# Altium PCB 2225B_VumetreFrequence_LDA.PcbDoc (part 2 of 2)
Units mm, origin at the board's own origin, x right, y up, seen from the top; angles counter-clockwise.
Board outline 167.64 x 107.19 mm, 2 copper layers (Top Layer, Bottom Layer), stack 1.586 mm thick; 145 components, 125 nets, 447 pads, 361 vias.
Unrouted connection lines stored in the file: 94.
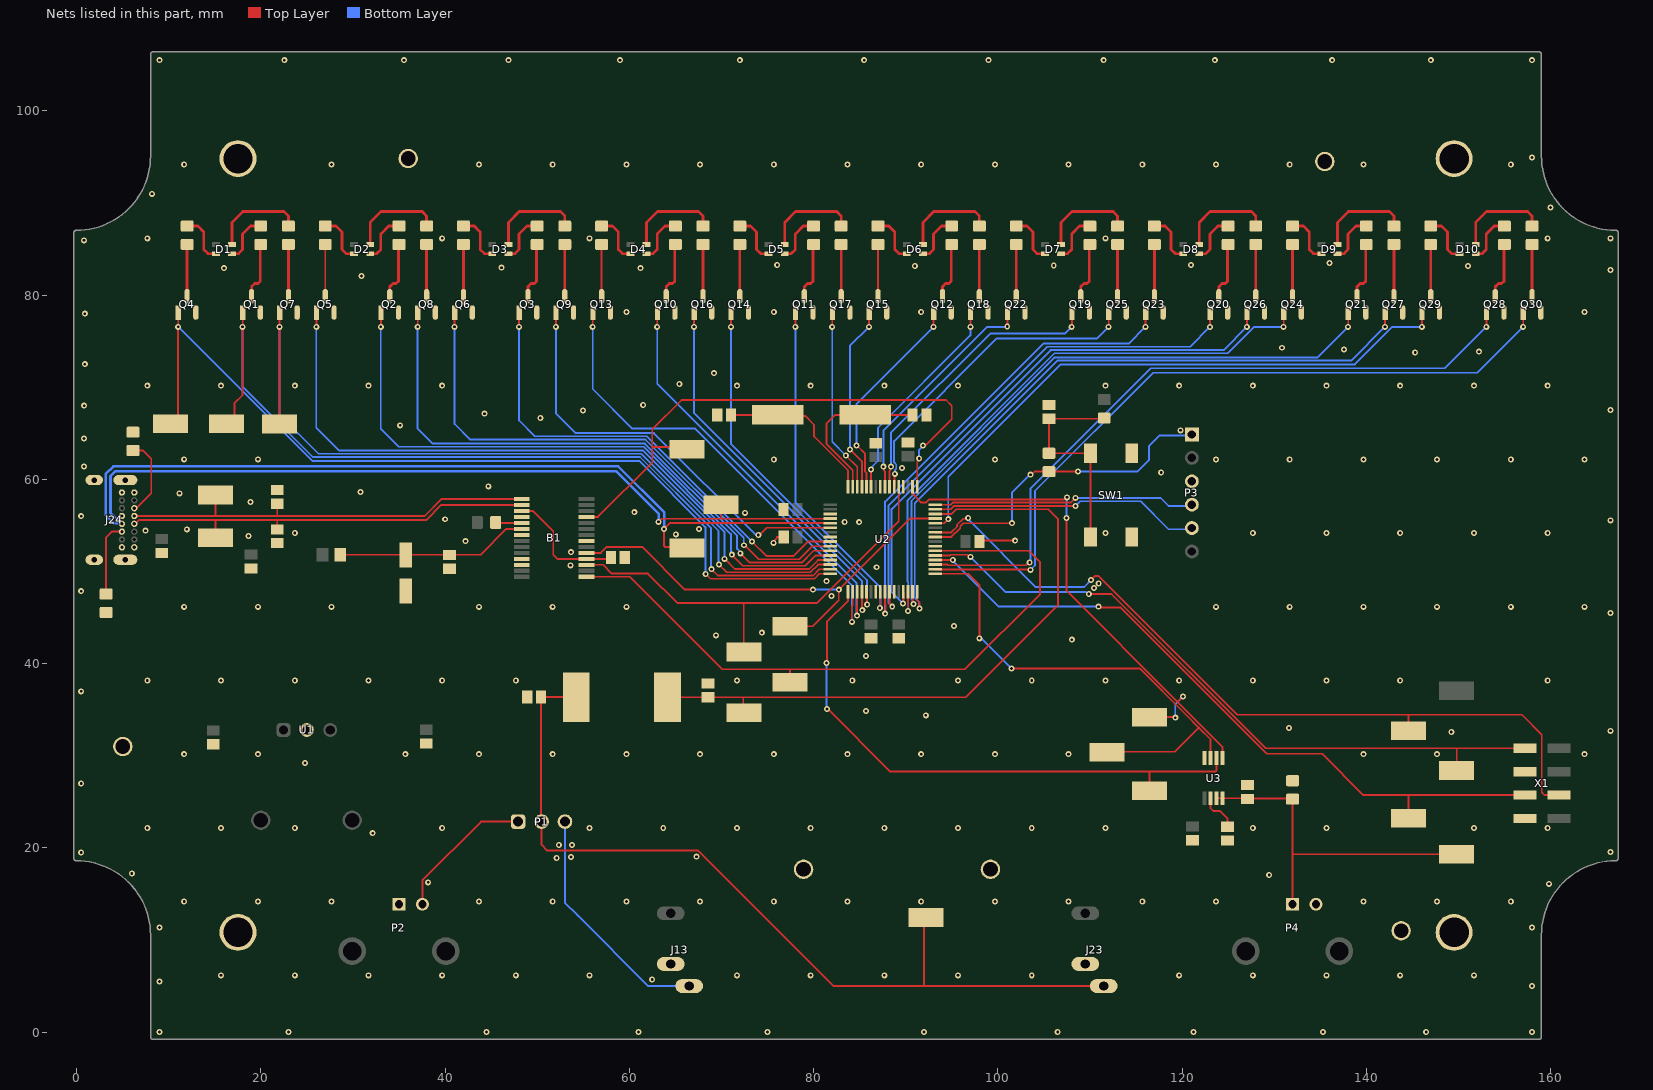
[diagram p2: the nets of this part, all layers, seen from the top]

## Via types
v1: diameter 0.65, hole 0.3, Top Layer to Bottom Layer, 298 vias
v2: diameter 0.65, hole 0.3, Top Layer to Bottom Layer, tented both sides, 63 vias

## Nets (pads, with @x,y where several pads share a name; then routed paths per layer and width w, separated by ;. In a path a pad name is that pad's centre, name@x,y a point inside that pad or via, vN(x,y) a via of type N, cw(c..) or ccw(c..) an arc to the next point about the centre after c; other vN are vias at no path point) (continued)
GND: B1.7 B1.18 B1.21 B1.25 B1.26 C1.2 C2.2 C3.1 C4.1 C5.1 C6.2 C7.2 C8.2 C9.2 C10.2 C11.2 C12.2 C13.2 C14.2 C15.2 C16.2 C17.2 C18.2 C20.1 C21.2 C22.2 C23.1 C24.1 C25.1 GND.1 J13.2 J23.2 J24.A1 J24.A12 J24.B1 J24.B12 J24.S1 J24.S2 J24.S3 J24.S4 P2.1 P3.3 P4.2 pad. Q1.2 Q2.2 Q3.2 Q4.2 Q5.2 Q6.2 Q7.2 Q8.2 Q9.2 Q10.2 Q11.2 Q12.2 Q13.2 Q14.2 Q15.2 Q16.2 Q17.2 Q18.2 Q19.2 Q20.2 Q21.2 Q22.2 Q23.2 Q24.2 Q25.2 Q26.2 Q27.2 Q28.2 Q29.2 Q30.2 R1.1 R2.1 R36.1 SW1.1 SW1.2 U1.2 U2.7 U2.20 U2.25 U2.35 U2.40 U2.55 U2.59 U3.8 X1.4 X1.8 | length 5.5
  Top Layer w0.2: v2(75.641,53.12) 75.641,53.241 76.011,53.611 76.011,53.733 76.744,53.733 C16.2@76.761,53.75 ; U2.20@89.7,59.25 U2.20@89.75,59.2 ; C12.2@98,53.25 98.099,53.349 v2(101.884,53.349)
  other v1: 62.483,5.724 15.687,6.169 23.687,6.169 31.687,6.169 39.687,6.169 47.687,6.169 55.687,6.169 71.687,6.169 79.687,6.169 87.687,6.169 95.687,6.169 103.687,6.169 119.687,6.169 127.687,6.169 135.687,6.169 143.687,6.169 151.687,6.169 11.687,14.169 19.687,14.169 27.687,14.169 43.687,14.169 51.687,14.169 59.687,14.169 67.687,14.169 75.687,14.169 83.687,14.169 91.687,14.169 99.687,14.169 107.687,14.169 115.687,14.169 123.687,14.169 139.687,14.169 147.687,14.169 155.687,14.169 38.175,16.259 129.465,17.058 52.117,18.907 53.663,19.008 67.286,19.041 53.789,20.301 52.345,20.326 32.142,21.6 7.687,22.169 15.687,22.169 23.687,22.169 39.687,22.169 55.687,22.169 63.687,22.169 71.687,22.169 79.687,22.169 87.687,22.169 95.687,22.169 103.687,22.169 111.687,22.169 127.687,22.169 135.687,22.169 151.687,22.169 159.687,22.169 24.796,29.203 11.687,30.169 19.687,30.169 35.687,30.169 43.687,30.169 51.687,30.169 59.687,30.169 67.687,30.169 75.687,30.169 83.687,30.169 91.687,30.169 99.687,30.169 107.687,30.169 139.687,30.169 147.687,30.169 163.687,30.169 149.226,32.57 131.613,33 92.186,34.384 85.694,34.862 7.687,38.169 15.687,38.169 23.687,38.169 31.687,38.169 39.687,38.169 47.687,38.169 71.687,38.169 84.215,38.155 95.687,38.169 103.687,38.169 111.687,38.169 119.687,38.169 127.687,38.169 135.687,38.169 143.687,38.169 159.687,38.169 85.694,40.828 108.033,42.594 69.418,43.072 74.382,43.358 95.241,44.074 11.687,46.169 19.687,46.169 27.687,46.169 43.687,46.169 51.687,46.169 59.687,46.169 123.687,46.169 131.687,46.169 139.687,46.169 147.687,46.169 155.687,46.169 163.687,46.169 86.858,50.462 42.21,53.286 18.678,53.859 23.687,54.169 111.687,54.169 127.687,54.169 135.687,54.169 143.687,54.169 151.687,54.169 159.687,54.169 7.482,54.434 11.969,54.577 83.383,55.368 84.951,55.351 40.015,55.673 60.54,56.437 18.869,57.534 11.185,58.489 30.828,58.627 44.693,59.253 117.741,60.762 89.605,61.242 11.687,62.176 19.687,62.176 75.687,62.169 99.687,62.169 123.687,62.169 131.687,62.169 139.687,62.169 147.687,62.169 155.687,62.169 163.687,62.169 35.132,65.865 50.347,66.665 44.275,67.135 54.969,67.488 61.511,68.075 7.687,70.169 15.687,70.169 23.687,70.169 31.687,70.169 39.687,70.169 71.687,70.169 79.687,70.169 87.687,70.169 95.687,70.169 111.687,70.169 119.687,70.169 127.687,70.169 135.687,70.169 143.687,70.169 151.687,70.169 159.687,70.169 65.429,70.347 69.189,71.523 145.312,73.763 152.233,73.859 137.579,74.097 130.849,74.288 59.687,78.169 75.687,78.169 91.687,78.169 163.687,78.169 30.946,82.069 16.005,82.928 61.208,82.928 46.124,82.976 90.993,83.167 151.04,83.167 106.076,83.214 76.052,83.262 120.968,83.262 136.004,83.501 7.687,86.169 39.687,86.169 55.687,86.169 111.687,86.169 159.687,86.169 11.687,94.169 27.687,94.169 43.687,94.169 51.687,94.169 59.687,94.169 67.687,94.169 75.687,94.169 83.687,94.169 91.687,94.169 99.687,94.169 107.687,94.169 115.687,94.169 123.687,94.169 131.687,94.169 139.687,94.169 155.687,94.169
  other v2: 9,0 23,0 44.5,0 61,0 75,0 92,0 106.5,0 121.249,0 135.303,0 146.503,0 158,0 158,5 9,5.5 9,11.366 158,11.366 159.835,16.1 6,17.228 0.5,19.5 166.5,19.543 0.5,27 166.5,32.705 0.5,37 166.5,45.5 81.959,47.34 0.5,47.862 110.445,48.204 110.949,48.691 81.394,48.949 53.617,50.676 53.66,52.097 65.047,54.041 67.57,54.607 166.5,55.559 0.5,56.001 72.55,56.377 0.822,61.4 0.822,64.45 119.841,65.322 166.5,67.521 0.829,68 0.9,72.5 0.9,77.988 166.5,82.743 0.822,85.95 166.5,86.167 160,89.5 8.2,91 158,94.952 9,105.5 22.554,105.5 35.55,105.5 46.875,105.5 59,105.5 72,105.5 85.5,105.5 99,105.5 111.5,105.5 123.554,105.5 136.299,105.5 147,105.5 158,105.5
LED0_G: LED0_G.1 Q1.1 U2.47 | length 94.1
  Top Layer w0.2: LED0_G.1@17.14,66.006 17.14,68.271 18.027,69.158 v1(18.027,76.559) ; v1@18.039,76.57 Q1.1@18.039,78.104 ; v1(68.921,50.25) 69.603,49.568 79.955,49.568 80.637,50.25 U2.47@81.8,50.25
  Bottom Layer w0.2: v1(18.027,76.559) 18.027,70.055 25.651,62.432 61.162,62.432 68.864,54.73 68.864,50.307 v1(68.921,50.25)
LED0_R: LED0_R.1 Q7.1 U2.46 | length 90.9
  Top Layer w0.2: v1(22.027,76.559) 22.027,66.029 LED0_R.1@22.05,66.006 ; v1@22.039,76.57 Q7.1@22.039,78.104 ; v1(69.74,50.75) 70.571,49.919 79.665,49.919 80.496,50.75 U2.46@81.8,50.75
  Bottom Layer w0.2: v1(22.027,76.559) 22.027,67.018 26.263,62.783 61.308,62.783 69.693,54.397 69.693,50.797 v1(69.74,50.75)
LED0_Y: LED0_Y.1 Q4.1 U2.48 | length 97.5
  Top Layer w0.2: Q4.1@11.05,78.115 11.039,78.104 11.039,76.57 v1(11.027,76.559) 11.027,66.212 LED0_Y.1@11.233,66.006 ; v1(68.29,49.743) 68.816,49.217 80.106,49.217 80.639,49.75 U2.48@81.8,49.75
  Bottom Layer w0.2: v1(11.027,76.559) 25.582,62.004 61.093,62.004 68.27,54.828 68.27,49.763 v1(68.29,49.743)
LED1_G: Q2.1 U2.44 | length 69.3
  Top Layer w0.2: v1@33.039,76.57 Q2.1@33.039,78.104 ; v1(71.125,51.825) 72.329,50.621 79.109,50.621 80.238,51.75 U2.44@81.8,51.75
  Bottom Layer w0.2: v1(33.027,76.559) 33.027,65.479 34.971,63.535 61.548,63.535 71.027,54.056 71.027,52.044 71.125,51.946 v1(71.125,51.825)
LED1_R: Q8.1 U2.43 | length 64.8
  Top Layer w0.2: v1@37.039,76.57 Q8.1@37.039,78.104 ; v1(72.054,51.977) 73.059,50.972 78.718,50.972 79.996,52.25 U2.43@81.8,52.25
  Bottom Layer w0.2: v1(37.027,76.559) 37.027,65.508 38.649,63.886 61.693,63.886 71.704,53.876 71.704,52.449 72.054,52.099 v1(72.054,51.977)
LED1_Y: Q5.1 U2.45 | length 76.7
  Top Layer w0.2: v1@26.039,76.57 Q5.1@26.039,78.104 ; v1(70.344,51.375) 71.449,50.27 79.52,50.27 80.5,51.25 U2.45@81.8,51.25
  Bottom Layer w0.2: v1(26.027,76.559) 26.027,65.59 28.478,63.139 61.447,63.139 70.344,54.242 v1(70.344,51.375)
LED2_G: Q3.1 U2.41 | length 52.2
  Top Layer w0.2: v1@48.039,76.57 Q3.1@48.039,78.104 ; v1@73.322,53.25 74.898,51.674 77.79,51.674 79.366,53.25 U2.41@81.8,53.25
  Bottom Layer w0.2: v1(48.027,76.559) 48.027,66.4 49.748,64.679 61.894,64.679 v1@73.308,53.264
  other v1: 73.307,53.263
LED2_R: Q9.1 U2.38 | length 46.6
  Top Layer w0.2: v1@52.039,76.57 Q9.1@52.039,78.104 ; v1@73.925,53.826 73.978,53.826 74.902,54.75 U2.38@81.8,54.75
  Bottom Layer w0.2: v1(52.027,76.559) 52.027,67.173 54.17,65.03 62.67,65.03 73.874,53.826 v1@73.925,53.826
  other v1: 74,53.976
LED2_Y: Q6.1 U2.42 | length 60
  Top Layer w0.2: v1@41.039,76.57 Q6.1@41.039,78.104 ; v1@72.425,52.85 72.547,52.85 74.074,51.323 78.444,51.323 79.871,52.75 U2.42@81.8,52.75
  Bottom Layer w0.2: v1(41.027,76.559) 41.027,66.03 42.741,64.317 61.759,64.317 72.425,53.651 v1@72.425,52.85
  other v1: 72.45,52.85
LED3_G: Q10.1 U2.51 | length 44.5
  Top Layer w0.2: v1@63.039,76.57 Q10.1@63.039,78.104 ; v1(84.716,45.199) 84.716,46.299 84.742,46.325 84.742,47.792 U2.51@84.75,47.8
  Bottom Layer w0.2: v1(63.027,76.559) 63.027,70.391 84.674,48.744 84.674,45.241 v1(84.716,45.199)
LED3_R: Q16.1 U2.52 | length 41.9
  Top Layer w0.2: v1@67.039,76.57 Q16.1@67.039,78.104 ; U2.52@85.25,47.8 85.25,45.842 v1(85.292,45.8)
  Bottom Layer w0.2: v1(67.027,76.559) 67.027,67.201 85.25,48.979 85.25,45.842 v1(85.292,45.8)
LED3_Y: Q13.1 U2.50 | length 52.5
  Top Layer w0.2: v1@56.039,76.57 Q13.1@56.039,78.104 ; v1(84.177,44.542) 84.14,44.579 84.14,46.211 84.25,46.321 U2.50@84.25,47.8
  Bottom Layer w0.2: v1(56.027,76.559) 56.027,69.814 60.333,65.508 67.152,65.508 84.14,48.52 84.14,44.579 v1(84.177,44.542)
LED4_G: Q11.1 U2.56 | length 37.7
  Top Layer w0.2: v1@78.039,76.57 Q11.1@78.039,78.104 ; v1(87.198,46.053) 87.25,46.104 U2.56@87.25,47.8
  Bottom Layer w0.2: v1(78.027,76.559) 78.027,57.52 87.262,48.285 87.262,46.116 v1(87.198,46.053)
LED4_R: Q17.1 U2.30 | length 20
  Top Layer w0.2: v1@82.039,76.57 Q17.1@82.039,78.104 ; v1(83.505,62.595) 84.752,61.349 84.752,59.202 U2.30@84.75,59.2
  Bottom Layer w0.2: v1(82.027,76.559) 82.027,64.073 v1(83.505,62.595)
LED4_Y: Q14.1 U2.53 | length 39.2
  Top Layer w0.2: v1@71.039,76.57 Q14.1@71.039,78.104 ; U2.53@85.75,47.8 85.788,47.762 85.788,46.452 v1(85.826,46.414)
  Bottom Layer w0.2: v1(71.027,76.559) 71.027,63.85 85.798,49.079 85.798,46.441 v1(85.826,46.414)
LED5_G: Q12.1 U2.28 | length 22.8
  Top Layer w0.2: v1(84.674,63.679) 84.716,63.679 85.598,62.797 85.598,60.84 85.75,60.688 U2.28@85.75,59.2 ; v1@93.039,76.57 Q12.1@93.039,78.104
  Bottom Layer w0.2: v1(84.674,63.679) 84.674,68.205 v1(93.027,76.559)
LED5_R: Q18.1 U2.27 | length 23.4
  Top Layer w0.2: U2.27@86.25,59.2 v1(86.25,61.059) ; v1@97.039,76.57 Q18.1@97.039,78.104
  Bottom Layer w0.2: v1(86.25,61.059) 86.25,61.181 86.39,61.321 86.39,61.399 87,62.009 87,65.6 97.027,75.627 v1(97.027,76.559)
LED5_Y: Q15.1 U2.29 | length 20.3
  Top Layer w0.2: v1(83.955,63.258) 84.424,62.789 85.247,61.966 85.247,60.695 85.25,60.692 U2.29@85.25,59.2 ; v1@86.039,76.57 Q15.1@86.039,78.104
  Bottom Layer w0.2: v1(83.955,63.258) 83.955,74.487 v1(86.027,76.559)
LED6_G: Q19.1 U2.23 | length 31.8
  Top Layer w0.2: U2.23@88.25,59.2 88.25,60.901 88.311,60.962 88.311,61.292 v1(88.397,61.379) ; v1@108.039,76.57 Q19.1@108.039,78.104
  Bottom Layer w0.2: v1(88.397,61.379) 88.397,65.041 99.179,75.822 107.272,75.822 108.009,76.559 v1(108.027,76.559)
LED6_R: Q25.1 U2.22 | length 35.1
  Top Layer w0.2: U2.22@88.75,59.2 88.788,59.238 88.788,60.571 v1(88.826,60.609) ; v1@112.039,76.57 Q25.1@112.039,78.104
  Bottom Layer w0.2: v1(88.826,60.609) 88.836,60.619 88.836,61.003 88.973,61.14 88.973,61.617 88.75,61.841 88.75,64.162 99.897,75.309 110.777,75.309 v1(112.027,76.559)
LED6_Y: Q22.1 U2.24 | length 25.8
  Top Layer w0.2: v1(87.577,61.374) 87.658,61.293 87.658,60.971 87.75,60.879 U2.24@87.75,59.2 ; v1(101.027,76.592) 101.039,76.603 Q22.1@101.039,78.104
  Bottom Layer w0.2: v1(87.577,61.374) 87.577,65.288 98.848,76.559 100.995,76.559 v1(101.027,76.592)
LED7_G: Q20.1 U2.58 | length 57.3
  Top Layer w0.2: U2.58@88.25,47.8 88.25,46.481 v1(88.544,46.187) ; v1@123.039,76.559 Q20.1@123.039,78.092
  Bottom Layer w0.2: v1(88.544,46.187) 88.127,46.604 88.127,57.161 105.356,74.39 120.869,74.39 v1(123.027,76.547)
LED7_R: Q26.1 U2.61 | length 60.3
  Top Layer w0.2: v1(89.706,46.541) 89.75,46.585 U2.61@89.75,47.8 ; v1@127.039,76.57 Q26.1@127.039,78.104
  Bottom Layer w0.2: v1(89.706,46.541) 88.478,47.77 88.478,56.781 105.736,74.039 124.507,74.039 v1(127.027,76.559)
LED7_Y: Q23.1 U2.57 | length 52.2
  Top Layer w0.2: U2.57@87.75,47.8 87.75,46.467 87.826,46.391 87.826,45.476 v1(87.774,45.424) ; v1@116.039,76.57 Q23.1@116.039,78.104
  Bottom Layer w0.2: v1(87.774,45.424) 87.774,57.583 104.932,74.741 114.209,74.741 v1(116.027,76.559)
LED8_G: Q21.1 U2.63 | length 69.4
  Top Layer w0.2: U2.63@90.75,47.8 90.75,46.697 90.858,46.588 v1(90.858,46.467) ; v1@138.039,76.57 Q21.1@138.039,78.104
  Bottom Layer w0.2: v1(90.858,46.467) 90.772,46.553 90.772,46.871 90.636,47.007 90.636,57.672 106.206,73.242 134.71,73.242 v1(138.027,76.559)
LED8_R: Q27.1 U2.64 | length 74.1
  Top Layer w0.2: U2.64@91.25,47.8 91.25,46.9 91.504,46.646 v1(91.504,45.993) ; v1@142.039,76.57 Q27.1@142.039,78.104
  Bottom Layer w0.2: v1(91.504,45.993) 91.434,46.064 91.434,46.705 90.987,47.152 90.987,57.423 106.455,72.891 138.359,72.891 v1(142.027,76.559)
LED8_Y: Q24.1 U2.62 | length 64.3
  Top Layer w0.2: U2.62@90.25,47.8 90.253,47.797 90.253,46.809 90.282,46.78 90.282,45.742 v1(90.253,45.713) ; v1@131.039,76.57 Q24.1@131.039,78.104
  Bottom Layer w0.2: v1(90.253,45.713) 90.282,45.742 90.282,48.818 90.203,48.896 90.203,57.735 106.156,73.688 124.971,73.688 127.842,76.559 v1(131.027,76.559)
LED9_G: Q28.1 U2.3 | length 76.8
  Top Layer w0.2: U2.3@93.2,50.75 94.555,50.75 94.631,50.674 103.033,50.674 103.34,50.982 v1(103.462,50.982) ; v1@153.039,76.57 Q28.1@153.039,78.104
  Bottom Layer w0.2: v1(103.462,50.982) 103.54,51.06 103.54,58.986 116.623,72.069 148.538,72.069 v1(153.027,76.559)
LED9_R: Q30.1 U2.2 | length 81.1
  Top Layer w0.2: U2.2@93.2,50.25 93.248,50.202 103.537,50.202 v1(103.556,50.183) ; v1@157.039,76.57 Q30.1@157.039,78.104
  Bottom Layer w0.2: v1(103.556,50.183) 104.038,50.665 104.038,58.75 116.861,71.573 152.042,71.573 v1(157.027,76.559)
LED9_Y: Q29.1 U2.12 | length 65.9
  Top Layer w0.2: U2.12@93.2,55.25 93.208,55.242 94.199,55.242 v1(94.631,55.674) ; v1@146.039,76.57 Q29.1@146.039,78.104
  Bottom Layer w0.2: v1(94.631,55.674) 94.631,60.271 106.847,72.487 138.771,72.487 142.842,76.559 v1(146.027,76.559)
MCLR: P3.1 R35.1 U2.9 | length 35.5
  Top Layer w0.2: U2.9@93.2,53.75 94.97,53.75 95.925,54.705 95.925,54.908 96.261,55.245 96.542,55.245 96.543,55.243 v1(101.554,55.243) ; v1(103.54,60.515) 103.662,60.515 103.986,60.838 R35.1@105.558,60.838 108.691,60.838 v1(108.7,60.848)
  Bottom Layer w0.2: v1(101.554,55.243) 101.554,58.61 103.459,60.515 v1(103.54,60.515) ; v1(108.7,60.848) 115.163,60.848 116.431,62.116 116.431,63.65 117.527,64.746 120.94,64.746 P3.1@121.067,64.873
NetB1_1: B1.1 FTDI_RXD.1 U2.6 | length 72.9
  Top Layer w0.2: B1.1@55.35,49.425 60.033,49.425 70.074,39.384 77.441,39.384 ; FTDI_RXD.1@77.441,38.654 77.441,39.384 ; U2.6@93.2,52.25 103.339,52.25 104.592,50.998 104.592,47.552 96.424,39.384 77.441,39.384
NetB1_3: B1.3 FTDI_CTS.1 U2.21 | length 48.4
  Top Layer w0.2: B1.3@55.35,50.725 57.17,50.725 58.119,49.776 62.027,49.776 65.24,46.563 72.33,46.563 ; FTDI_CTS.1@72.425,41.261 72.425,46.469 72.33,46.563 ; U2.21@89.25,59.2 89.25,55.446 80.368,46.563 72.33,46.563
NetB1_4: B1.4 B1.17 C11.1 | length 13.4
  Top Layer w0.2: B1.17@48.326,56.575 49.52,56.575 51.738,54.357 51.738,51.825 52.187,51.375 B1.4@55.35,51.375 57.875,51.375 C11.1@58,51.5
NetB1_5: B1.5 FTDI_TXD.1 U2.13 | length 50.8
  Top Layer w0.2: B1.5@55.35,52.025 56.92,52.025 57.57,52.675 61.395,52.675 66.04,48.03 v1(79.955,48.03) ; FTDI_TXD.1@77.441,44.066 79.907,44.066 82.743,46.902 v1(82.743,48.027) 90.467,55.75 U2.13@93.2,55.75
  Bottom Layer w0.2: v1(79.955,48.03) 82.74,48.03 v1(82.743,48.027)
NetB1_11: B1.11 FTDI_RST.1 U2.17 | length 61.6
  Top Layer w0.2: B1.11@55.35,55.925 56.595,55.925 62.491,61.821 62.491,63.548 ; FTDI_RST.1@66.261,63.528 62.512,63.528 62.491,63.548 ; U2.17@91.25,59.2 91.25,61.936 91.463,62.149 v1(91.463,62.27) ; v1(91.875,63.679) 91.961,63.765 92.222,63.765 95,66.543 95,67.999 94.38,68.619 65.671,68.619 62.491,65.439 62.491,63.548
  Bottom Layer w0.2: v1(91.463,62.27) 91.463,63.207 91.875,63.619 v1(91.875,63.679)
NetB1_19: B1.19 R3.2 | length 2.8
  Top Layer w0.2: R3.2@45.5,55.313 45.538,55.275 B1.19@48.326,55.275
NetB1_20: B1.20 C6.1 C7.1 FB1.1 | length 20.9
  Top Layer w0.2: FB1.1@28.631,51.825 35.712,51.825 C6.1@35.73,51.806 ; C6.1@35.73,51.825 40.475,51.825 C7.1@40.5,51.8 40.525,51.825 43.865,51.825 46.666,54.625 B1.20@48.326,54.625
NetC1_1: C1.1 J11.1 J23.1 L1.1 P1.2 | length 94.8
  Top Layer w0.2: L1.1@54.25,36.35 54.225,36.375 C1.1@50.425,36.375 50.425,22.9 P1.2@50.475,22.85 50.475,20.338 51.114,19.699 67.49,19.699 82.19,5 92,5 ; J11.1@92.234,12.444 92,12.209 92,5 ; J23.1@111.5,5 92,5
NetC2_1: AUDIO_IN.1 C2.1 L1.2 U2.14 | length 71.5
  Top Layer w0.2: L1.2@64.15,36.35 C2.1@68.525,36.35 72.366,36.35 ; AUDIO_IN.1@72.425,34.676 72.366,34.735 72.366,36.35 ; U2.14@93.2,56.25 94.987,56.25 95.487,56.75 105.47,56.75 106.546,55.674 106.546,46.386 96.51,36.35 72.366,36.35
NetC20_2: C20.2 R34.2 R35.2 SW1.3 SW1.4 | length 23.3
  Top Layer w0.2: SW1.4@110.058,53.738 SW1.3@110.058,62.838 R35.2@105.558,62.838 C20.2@105.558,66.588 R34.2@111.475,66.588
NetC21_1: C21.1 U2.31 Y1.2 | length 17.8
  Top Layer w0.2: U2.31@84.25,59.2 84.25,60.995 81.394,63.85 81.394,66.038 82.356,67 Y1.2@85.6,67 C21.1@90.75,67
NetC22_1: C22.1 U2.32 Y1.1 | length 17.7
  Top Layer w0.2: C22.1@71.05,67 Y1.1@76.1,67 76.209,66.891 79.083,66.891 80.05,65.924 80.05,64.665 83.75,60.964 U2.32@83.75,59.2
NetC24_2: C24.2 U3.2 | length 4.3
  Top Layer w0.2: U3.2@123.093,25.388 123.093,24.325 123.432,23.986 124.139,23.986 124.923,23.202 C24.2@124.923,22.293
NetC25_2: C25.2 OUT_FILTRED.1 P4.1 R36.2 U3.3 U3.4 | length 37.4
  Top Layer w0.2: U3.3@123.754,25.388 U3.4@124.389,25.388 C25.2@127.126,25.388 ; C25.2@127.172,25.368 131.921,25.368 R36.2@132,25.288 132,19.3 ; P4.1@132,13.88 132,19.3 ; OUT_FILTRED.1@149.789,19.3 132,19.3
NetD1_2: D1.2 R7.1 | length 10.3
  Top Layer w0.3: D1.2@16.875,85.5 16.875,87.893 18.05,89.068 22.523,89.068 23,88.591 R7.1@23,87.5
NetD1_3: D1.3 R4.1 | length 5.4
  Top Layer w0.3: D1.3@16.875,84.5 17.584,84.5 18.027,84.943 18.027,86.64 18.887,87.5 R4.1@20,87.5
NetD1_4: D1.4 R10.1 | length 5.5
  Top Layer w0.3: R10.1@12,87.5 13.167,87.5 13.811,86.857 13.811,84.957 14.267,84.5 D1.4@15.125,84.5
NetD2_2: D2.2 R8.1 | length 10.3
  Top Layer w0.3: D2.2@31.875,85.5 31.875,87.893 33.05,89.068 37.523,89.068 38,88.591 R8.1@38,87.5
NetD2_3: D2.3 R5.1 | length 5.4
  Top Layer w0.3: D2.3@31.875,84.5 32.584,84.5 33.027,84.943 33.027,86.64 33.887,87.5 R5.1@35,87.5
NetD2_4: D2.4 R11.1 | length 5.5
  Top Layer w0.3: R11.1@27,87.5 28.167,87.5 28.811,86.857 28.811,84.957 29.267,84.5 D2.4@30.125,84.5
NetD3_2: D3.2 R9.1 | length 10.3
  Top Layer w0.3: D3.2@46.875,85.5 46.875,87.893 48.05,89.068 52.523,89.068 53,88.591 R9.1@53,87.5
NetD3_3: D3.3 R6.1 | length 5.4
  Top Layer w0.3: D3.3@46.875,84.5 47.584,84.5 48.027,84.943 48.027,86.64 48.887,87.5 R6.1@50,87.5
NetD3_4: D3.4 R12.1 | length 5.5
  Top Layer w0.3: R12.1@42,87.5 43.167,87.5 43.811,86.857 43.811,84.957 44.267,84.5 D3.4@45.125,84.5
NetD4_2: D4.2 R16.1 | length 10.3
  Top Layer w0.3: D4.2@61.875,85.5 61.875,87.893 63.05,89.068 67.523,89.068 68,88.591 R16.1@68,87.5
NetD4_3: D4.3 R13.1 | length 5.4
  Top Layer w0.3: D4.3@61.875,84.5 62.584,84.5 63.027,84.943 63.027,86.64 63.887,87.5 R13.1@65,87.5
NetD4_4: D4.4 R19.1 | length 5.5
  Top Layer w0.3: R19.1@57,87.5 58.167,87.5 58.811,86.857 58.811,84.957 59.267,84.5 D4.4@60.125,84.5
NetD5_2: D5.2 R17.1 | length 10.3
  Top Layer w0.3: D5.2@76.875,85.5 76.875,87.893 78.05,89.068 82.523,89.068 83,88.591 R17.1@83,87.5
NetD5_3: D5.3 R14.1 | length 5.4
  Top Layer w0.3: D5.3@76.875,84.5 77.584,84.5 78.027,84.943 78.027,86.64 78.887,87.5 R14.1@80,87.5
NetD5_4: D5.4 R20.1 | length 5.5
  Top Layer w0.3: R20.1@72,87.5 73.167,87.5 73.811,86.857 73.811,84.957 74.267,84.5 D5.4@75.125,84.5
NetD6_2: D6.2 R18.1 | length 10.3
  Top Layer w0.3: D6.2@91.875,85.5 91.875,87.893 93.05,89.068 97.523,89.068 98,88.591 R18.1@98,87.5
NetD6_3: D6.3 R15.1 | length 5.4
  Top Layer w0.3: D6.3@91.875,84.5 92.584,84.5 93.027,84.943 93.027,86.64 93.887,87.5 R15.1@95,87.5
NetD6_4: D6.4 R21.1 | length 5.5
  Top Layer w0.3: R21.1@87,87.5 88.167,87.5 88.811,86.857 88.811,84.957 89.267,84.5 D6.4@90.125,84.5
NetD7_2: D7.2 R25.1 | length 10.3
  Top Layer w0.3: D7.2@106.875,85.5 106.875,87.893 108.05,89.068 112.523,89.068 113,88.591 R25.1@113,87.5
NetD7_3: D7.3 R22.1 | length 5.4
  Top Layer w0.3: D7.3@106.875,84.5 107.584,84.5 108.027,84.943 108.027,86.64 108.887,87.5 R22.1@110,87.5
NetD7_4: D7.4 R28.1 | length 5.5
  Top Layer w0.3: R28.1@102,87.5 103.167,87.5 103.811,86.857 103.811,84.957 104.267,84.5 D7.4@105.125,84.5
NetD8_2: D8.2 R26.1 | length 10.3
  Top Layer w0.3: D8.2@121.875,85.5 121.875,87.893 123.05,89.068 127.523,89.068 128,88.591 R26.1@128,87.5
NetD8_3: D8.3 R23.1 | length 5.4
  Top Layer w0.3: D8.3@121.875,84.5 122.584,84.5 123.027,84.943 123.027,86.64 123.887,87.5 R23.1@125,87.5
NetD8_4: D8.4 R29.1 | length 5.5
  Top Layer w0.3: R29.1@117,87.5 118.167,87.5 118.811,86.857 118.811,84.957 119.267,84.5 D8.4@120.125,84.5
NetD9_2: D9.2 R27.1 | length 10.3
  Top Layer w0.3: D9.2@136.875,85.5 136.875,87.893 138.05,89.068 142.523,89.068 143,88.591 R27.1@143,87.5
NetD9_3: D9.3 R24.1 | length 5.4
  Top Layer w0.3: D9.3@136.875,84.5 137.584,84.5 138.027,84.943 138.027,86.64 138.887,87.5 R24.1@140,87.5
NetD9_4: D9.4 R30.1 | length 5.5
  Top Layer w0.3: R30.1@132,87.5 133.167,87.5 133.811,86.857 133.811,84.957 134.267,84.5 D9.4@135.125,84.5
NetD10_2: D10.2 R32.1 | length 10.3
  Top Layer w0.3: D10.2@151.875,85.5 151.875,87.893 153.05,89.068 157.523,89.068 158,88.591 R32.1@158,87.5
NetD10_3: D10.3 R31.1 | length 5.4
  Top Layer w0.3: D10.3@151.875,84.5 152.584,84.5 153.027,84.943 153.027,86.64 153.887,87.5 R31.1@155,87.5
NetD10_4: D10.4 R33.1 | length 5.5
  Top Layer w0.3: R33.1@147,87.5 148.167,87.5 148.811,86.857 148.811,84.957 149.267,84.5 D10.4@150.125,84.5
NetJ13_1: J13.1 P1.3 | length 26
  Bottom Layer w0.2: P1.3@53.015,22.85 53.015,14.044 54.395,12.664 62.059,5 J13.1@66.5,5
NetJ24_A5: J24.A5 R1.2 | length 8.4
  Top Layer w0.2: R1.2@6.127,63.127 7.229,63.127 8.1,62.256 8.1,58.5 J24.A5@6.475,56.875
NetJ24_B5: J24.B5 R2.2 | length 7.9
  Top Layer w0.2: R2.2@3.2,47.55 3.2,53.7 3.825,54.325 J24.B5@4.65,54.325
NetP1_1: P1.1 P2.2 | length 15.6
  Top Layer w0.2: P2.2@37.54,13.88 37.54,16.474 43.916,22.85 P1.1@47.935,22.85
NetQ1_3: Q1.3 R4.2 | length 6.2
  Top Layer w0.3: Q1.3@19,79.885 19.009,79.894 19.009,80.923 19.355,81.268 19.699,81.268 19.95,81.52 19.95,85.45 R4.2@20,85.5
NetQ2_3: Q2.3 R5.2 | length 6.2
  Top Layer w0.3: Q2.3@33.991,79.876 Q2.3@34,79.885 34,80.913 34.346,81.259 34.689,81.259 34.941,81.511 34.941,85.441 R5.2@35,85.5
NetQ3_3: Q3.3 R6.2 | length 6.2
  Top Layer w0.3: Q3.3@48.991,79.876 Q3.3@49,79.885 49,80.913 49.346,81.259 49.689,81.259 49.941,81.511 49.941,85.441 R6.2@50,85.5
NetQ4_3: Q4.3 R10.2 | length 5.6
  Top Layer w0.3: Q4.3@12,79.885 R10.2@12,85.5
NetQ5_3: Q5.3 R11.2 | length 5.6
  Top Layer w0.2: Q5.3@27,79.885 R11.2@27,85.5
NetQ6_3: Q6.3 R12.2 | length 5.6
  Top Layer w0.3: Q6.3@42,79.885 R12.2@42,85.5
NetQ7_3: Q7.3 R7.2 | length 5.6
  Top Layer w0.3: Q7.3@23,79.885 R7.2@23,85.5
NetQ8_3: Q8.3 R8.2 | length 5.6
  Top Layer w0.3: Q8.3@38,79.885 R8.2@38,85.5
NetQ9_3: Q9.3 R9.2 | length 5.6
  Top Layer w0.3: Q9.3@53,79.885 R9.2@53,85.5
NetQ10_3: Q10.3 R13.2 | length 6.2
  Top Layer w0.3: Q10.3@63.991,79.876 Q10.3@64,79.885 64,80.913 64.346,81.259 64.689,81.259 64.941,81.511 64.941,85.441 R13.2@65,85.5
NetQ11_3: Q11.3 R14.2 | length 6.2
  Top Layer w0.3: Q11.3@78.991,79.876 Q11.3@79,79.885 79,80.913 79.346,81.259 79.689,81.259 79.941,81.511 79.941,85.441 R14.2@80,85.5
NetQ12_3: Q12.3 R15.2 | length 6.2
  Top Layer w0.3: Q12.3@93.991,79.876 Q12.3@94,79.885 94,80.913 94.346,81.259 94.689,81.259 94.941,81.511 94.941,85.441 R15.2@95,85.5
NetQ13_3: Q13.3 R19.2 | length 5.6
  Top Layer w0.2: Q13.3@57,79.885 R19.2@57,85.5
NetQ14_3: Q14.3 R20.2 | length 5.6
  Top Layer w0.3: Q14.3@72,79.885 R20.2@72,85.5
NetQ15_3: Q15.3 R21.2 | length 5.6
  Top Layer w0.2: Q15.3@87,79.885 R21.2@87,85.5
NetQ16_3: Q16.3 R16.2 | length 5.6
  Top Layer w0.3: Q16.3@68,79.885 R16.2@68,85.5
NetQ17_3: Q17.3 R17.2 | length 5.6
  Top Layer w0.3: Q17.3@83,79.885 R17.2@83,85.5
NetQ18_3: Q18.3 R18.2 | length 5.6
  Top Layer w0.3: Q18.3@98,79.885 R18.2@98,85.5
NetQ19_3: Q19.3 R22.2 | length 6.2
  Top Layer w0.3: Q19.3@108.991,79.876 Q19.3@109,79.885 109,80.913 109.346,81.259 109.689,81.259 109.941,81.511 109.941,85.441 R22.2@110,85.5
NetQ20_3: Q20.3 R23.2 | length 6.2
  Top Layer w0.3: Q20.3@123.991,79.876 Q20.3@124,79.885 124,80.913 124.346,81.259 124.689,81.259 124.941,81.511 124.941,85.441 R23.2@125,85.5
NetQ21_3: Q21.3 R24.2 | length 6.2
  Top Layer w0.3: Q21.3@138.991,79.876 Q21.3@139,79.885 139,80.913 139.346,81.259 139.689,81.259 139.941,81.511 139.941,85.441 R24.2@140,85.5
NetQ22_3: Q22.3 R28.2 | length 5.6
  Top Layer w0.3: Q22.3@102,79.885 R28.2@102,85.5
NetQ23_3: Q23.3 R29.2 | length 5.6
  Top Layer w0.3: Q23.3@117,79.885 R29.2@117,85.5
NetQ24_3: Q24.3 R30.2 | length 5.6
  Top Layer w0.3: Q24.3@132,79.885 R30.2@132,85.5
NetQ25_3: Q25.3 R25.2 | length 5.6
  Top Layer w0.3: Q25.3@113,79.885 R25.2@113,85.5
NetQ26_3: Q26.3 R26.2 | length 5.6
  Top Layer w0.3: Q26.3@128,79.885 R26.2@128,85.5
NetQ27_3: Q27.3 R27.2 | length 5.6
  Top Layer w0.3: Q27.3@143,79.885 R27.2@143,85.5
NetQ28_3: Q28.3 R31.2 | length 6.2
  Top Layer w0.3: Q28.3@153.991,79.876 Q28.3@154,79.885 154,80.913 154.346,81.259 154.689,81.259 154.941,81.511 154.941,85.441 R31.2@155,85.5
NetQ29_3: Q29.3 R33.2 | length 5.6
  Top Layer w0.3: Q29.3@147,79.885 R33.2@147,85.5
NetQ30_3: Q30.3 R32.2 | length 5.6
  Top Layer w0.3: Q30.3@158,79.885 R32.2@158,85.5
PGEC: P3.5 U2.15 | length 29.5
  Top Layer w0.2: U2.15@93.2,56.75 94.88,56.75 95.236,57.106 v1(108.431,57.106)
  Bottom Layer w0.2: v1(108.431,57.106) 108.944,57.619 115.498,57.619 118.531,54.586 120.94,54.586 P3.5@121.067,54.713
PGED: P3.4 U2.16 | length 28.6
  Top Layer w0.2: U2.16@93.2,57.25 94.883,57.25 95.108,57.475 107.909,57.475 v1(108.431,57.997)
  Bottom Layer w0.2: v1(108.431,57.997) 117.661,57.997 118.531,57.126 120.94,57.126 P3.4@121.067,57.253
SPI2_MISO: SPI2_MISO.1 U2.5 X1.2 | length 75.5
  Top Layer w0.2: U2.5@93.2,51.75 94.807,51.75 94.883,51.826 96.676,51.826 96.906,51.596 v1(97.027,51.596) ; v1(109.884,47.552) 112.343,47.552 129.085,30.81 149.821,30.81 ; SPI2_MISO.1@149.821,28.397 149.821,30.81 ; X1.2@157.58,30.81 X1.2@157.23,30.81 149.821,30.81
  Bottom Layer w0.2: v1(97.027,51.596) 100.831,47.792 109.542,47.792 109.783,47.552 v1(109.884,47.552)
SPI2_SCK: SPI2_SCK.1 U2.4 X1.6 | length 77.2
  Top Layer w0.2: U2.4@93.2,51.25 v1(95.122,51.25) ; v1(110.921,46.187) 111.007,46.101 113.298,46.101 129.187,30.211 135.206,30.211 139.687,25.73 144.587,25.73 ; SPI2_SCK.1@144.587,23.202 144.587,25.73 ; X1.6@157.23,25.73 149.821,25.73 144.587,25.73
  Bottom Layer w0.2: v1(95.122,51.25) 95.122,51.184 100.119,46.187 v1(110.921,46.187)
SPI2_SS1: SPI2_SS.1 U2.10 X1.5 | length 87.4
  Top Layer w0.2: U2.10@93.2,54.25 94.973,54.25 95.574,54.851 95.574,55.054 96.253,55.733 96.696,55.733 v1(96.782,55.819) ; v1(110.131,49.087) 110.537,49.494 110.961,49.494 126.007,34.448 144.587,34.448 ; SPI2_SS.1@144.587,32.705 144.587,34.448 ; X1.5@160.905,25.73 159.347,25.73 159.055,26.021 159.055,32.299 156.907,34.448 144.587,34.448
  Bottom Layer w0.2: v1(96.782,55.819) 96.782,55.697 96.937,55.542 96.937,55.49 104.113,48.314 109.357,48.314 v1(110.131,49.087)
SPI_CLK: SPI1_CLK.1 U2.49 U3.6 | length 62.3
  Top Layer w0.2: v1(81.394,40.074) 81.452,40.132 81.452,44.542 83.75,46.839 U2.49@83.75,47.8 ; v1(81.452,35.08) 81.523,35.08 88.293,28.309 116.466,28.309 ; SPI1_CLK.1@116.466,26.192 116.466,28.309 ; U3.6@123.754,29.757 123.754,28.426 123.637,28.309 116.466,28.309
  Bottom Layer w0.2: v1(81.394,40.074) 81.423,40.045 81.423,35.109 v1(81.452,35.08)
SPI_MOSI: SPI1_MOSI.1 U2.1 U3.7 | length 53.8
  Top Layer w0.2: U2.1@93.2,49.75 96.805,49.75 98,48.555 v1(98,42.75) ; v1(101.48,39.479) 115.398,39.479 120.453,34.424 121.824,33.053 ; SPI1_MOSI.1@111.868,30.392 111.912,30.437 119.208,30.437 121.824,33.053 ; U3.7@123.093,29.757 123.093,31.784 121.824,33.053
  Bottom Layer w0.2: v1(98,42.75) 98.022,42.772 98.187,42.772 v1(101.48,39.479)
Synchro_Data_DAC: Synchro_Data_DAC.1 U2.18 U3.5 | length 59.8
  Top Layer w0.2: U2.18@90.75,59.2 90.75,58.426 91.701,57.475 92.195,57.475 92.546,57.826 107.177,57.826 107.402,58.051 v1(107.52,58.051) ; v1(107.465,55.819) 107.464,47.91 119.505,35.869 ; Synchro_Data_DAC.1@116.466,34.192 119.204,34.192 v1(119.27,34.126) ; v1(120.091,36.426) 119.535,35.869 119.505,35.869 ; U3.5@124.389,29.757 124.389,30.985 119.505,35.869
  Bottom Layer w0.2: v1(107.465,55.819) 107.465,57.997 v1(107.52,58.051) ; v1(119.27,34.126) 119.27,35.604 v1(120.091,36.426)
USB1_N: B1.16 C9.1 J24.A7 USB1_N.1 | length 45.9
  Top Layer w0.2: J24.A7@6.275,55.21 J24.A7@6.275,55.175 6.359,55.175 6.759,55.575 15.089,55.575 ; USB1_N.1@15.089,54.069 15.089,55.575 ; C9.1@21.785,54.125 21.785,55.575 ; B1.16@48.326,57.225 39.611,57.225 37.961,55.575 21.785,55.575 ; 15.089,55.575 21.785,55.575
USB1_P: B1.15 C8.1 J24.A6 USB1_P.1 | length 45.7
  Top Layer w0.2: J24.A6@6.146,56.001 6.17,56.025 J24.A6@6.275,56.025 15.089,56.025 ; USB1_P.1@15.089,57.795 15.089,56.025 ; C8.1@21.785,57.001 21.785,56.025 ; B1.15@48.326,57.875 39.625,57.875 37.775,56.025 21.785,56.025 ; 15.089,56.025 21.785,56.025
USB2_N: J24.B7 U2.36 USB2_N.1 | length 88.4
  Top Layer w0.2: v1(63.162,55.4) 63.198,55.4 63.523,55.725 69.976,55.725 ; USB2_N.1@69.976,57.25 69.976,55.725 ; U2.36@81.8,55.75 81.775,55.725 69.976,55.725
  Bottom Layer w0.28: J24.B7@4.925,56.025 4.817,56.025 4.541,55.749 4.309,55.749 3.686,56.372 3.686,60.347 4.229,60.889 58.582,60.889 63.195,56.277 63.195,55.433 v1(63.162,55.4)
USB2_P: J24.B6 U2.37 USB2_P.1 | length 94.2
  Top Layer w0.2: USB2_P.1@66.321,52.55 66.202,52.669 63.895,52.669 63.778,52.786 v1(63.778,54.625) 64.428,55.275 81.775,55.275 U2.37@81.8,55.25
  Bottom Layer w0.28: J24.B6@4.925,55.175 4.881,55.219 4.089,55.219 3.156,56.152 3.156,60.566 4.009,61.419 58.802,61.419 63.778,56.444 v1(63.778,54.625)
pads on no net: B1.2 B1.6 B1.8 B1.9 B1.10 B1.12 B1.13 B1.14 B1.22 B1.23 B1.24 B1.27 B1.28 J13.3 J23.3 J24.A8 J24.B8 P2.S1 P2.S2 P3.6 P4.S1 P4.S2

## Polygon pours and split planes (outlines as drawn)
GND on Bottom Layer "GND_L02_P000" (solid, remove dead copper, pour order 0): 0,-0.5 0,106 167,106 167,-1
GND on Top Layer "GND_L01_P001" (solid, remove dead copper, pour order 1): -0.008,-0.5 -0.008,106 166.992,106 166.992,-1

## Silkscreen, mask and mechanical layers (free items; w line width, h text height)
Top Overlay:
  text "D1/20Hz" at 10.254,71.008 h1.52
  text "D2/50Hz" at 26.754,71.008 h1.52
  text "D3/100Hz" at 41.782,71.008 h1.52
  text "D4/200Hz" at 56.754,71.008 h1.52
  text "D5/500Hz" at 71.992,71.008 h1.52
  text "D6/1kHz" at 86.524,71.008 h1.52
  text "D7/2kHz" at 102.254,71.008 h1.52
  text "D8/5kHz" at 117.254,71.008 h1.52
  text "D9/10kHz" at 132.594,71.008 h1.52
  text "D10/20kHz" at 146.754,71.008 h1.52
  text "2225B_VumetreFrequenciel" at 124.264,57.823 h1.8
  text "Loic David LDA" at 129.941,53.963 h1.8
  text "JACK" at 53.269,25.091 h1.52
  text "BNC" at 43.786,24.837 h1.52
  text "3V3" at 33.151,22.42 h1.52
  text "output" at 107.704,22.251 h1.52
  text "5V" at 14.686,22.13 h1.52
  text "bypass" at 107.704,19.544 h1.52
  text "Input jack" at 58.868,19.35 h1.52
  text "Ouput Matrice" at 153.951,19.132 h1.52 r90
  text "Input BNC" at 28.994,16.353 h1.52
  text "output" at 141.402,6.066 h1.52
  text "filtred" at 140.641,3.334 h1.52
Outline:
  circle w0.5: c8.288,106.156 r0.003
  circle w0.5: c167.088,86.776 r0.003
  circle w0.5: c167.088,86.776 r0.003
  circle w0.5: c8.288,106.156 r0.003
  circle w0.5: c8.288,-0.524 r0.003
  circle w0.5: c8.288,-0.524 r0.003
  circle w0.5: c158.757,-0.524 r0.003
  circle w0.5: c167.088,18.856 r0.003
  lines w0.5: -0.044,18.856 cw(c-0.044,10.525) 8.288,10.525 8.288,-0.524 158.757,-0.524 158.757,10.525 cw(c167.088,10.525) 167.088,18.856 167.088,86.776 cw(c167.088,95.107) 158.757,95.107 158.757,106.156 8.288,106.156 8.288,95.107 cw(c-0.044,95.107) -0.044,86.776 -0.044,18.856

## Dimensions
8.288,106.156 to 8.288,-0.524 on Top Dimensions
-0.044,86.776 to 167.088,86.776 on Top Dimensions

## Text inside footprints (layer, text, board x,y; h text height)
J24: Top 3D Body "PCB EDGE" at 0.345,50.285 h0.81 r270
P2: Top 3D Body "PCB EDGE" at 43.89,1.18 h1.78
P4: Top 3D Body "PCB EDGE" at 140.89,1.18 h1.78
X1: Top Overlay "2" at 157.65,31.87 h1.02 r90; Top Overlay "1" at 161.35,31.87 h1.02 r90; Top Overlay "8" at 157.65,21.53 h1.02 r90; Top Overlay "7" at 161.35,21.53 h1.02 r90